# Altium PCB UmTRXv21.PcbDoc (part 19 of 19)
Units mm, origin at the board's own origin, x right, y up, seen from the top; angles counter-clockwise.
Board outline 159.5 x 99.5 mm, 6 copper layers (Top Layer, GND, MidLayer1, Mid-Layer 2, InternalPlane2, Bottom Layer), stack 1.526 mm thick; 716 components, 578 nets, 2850 pads, 1402 vias.
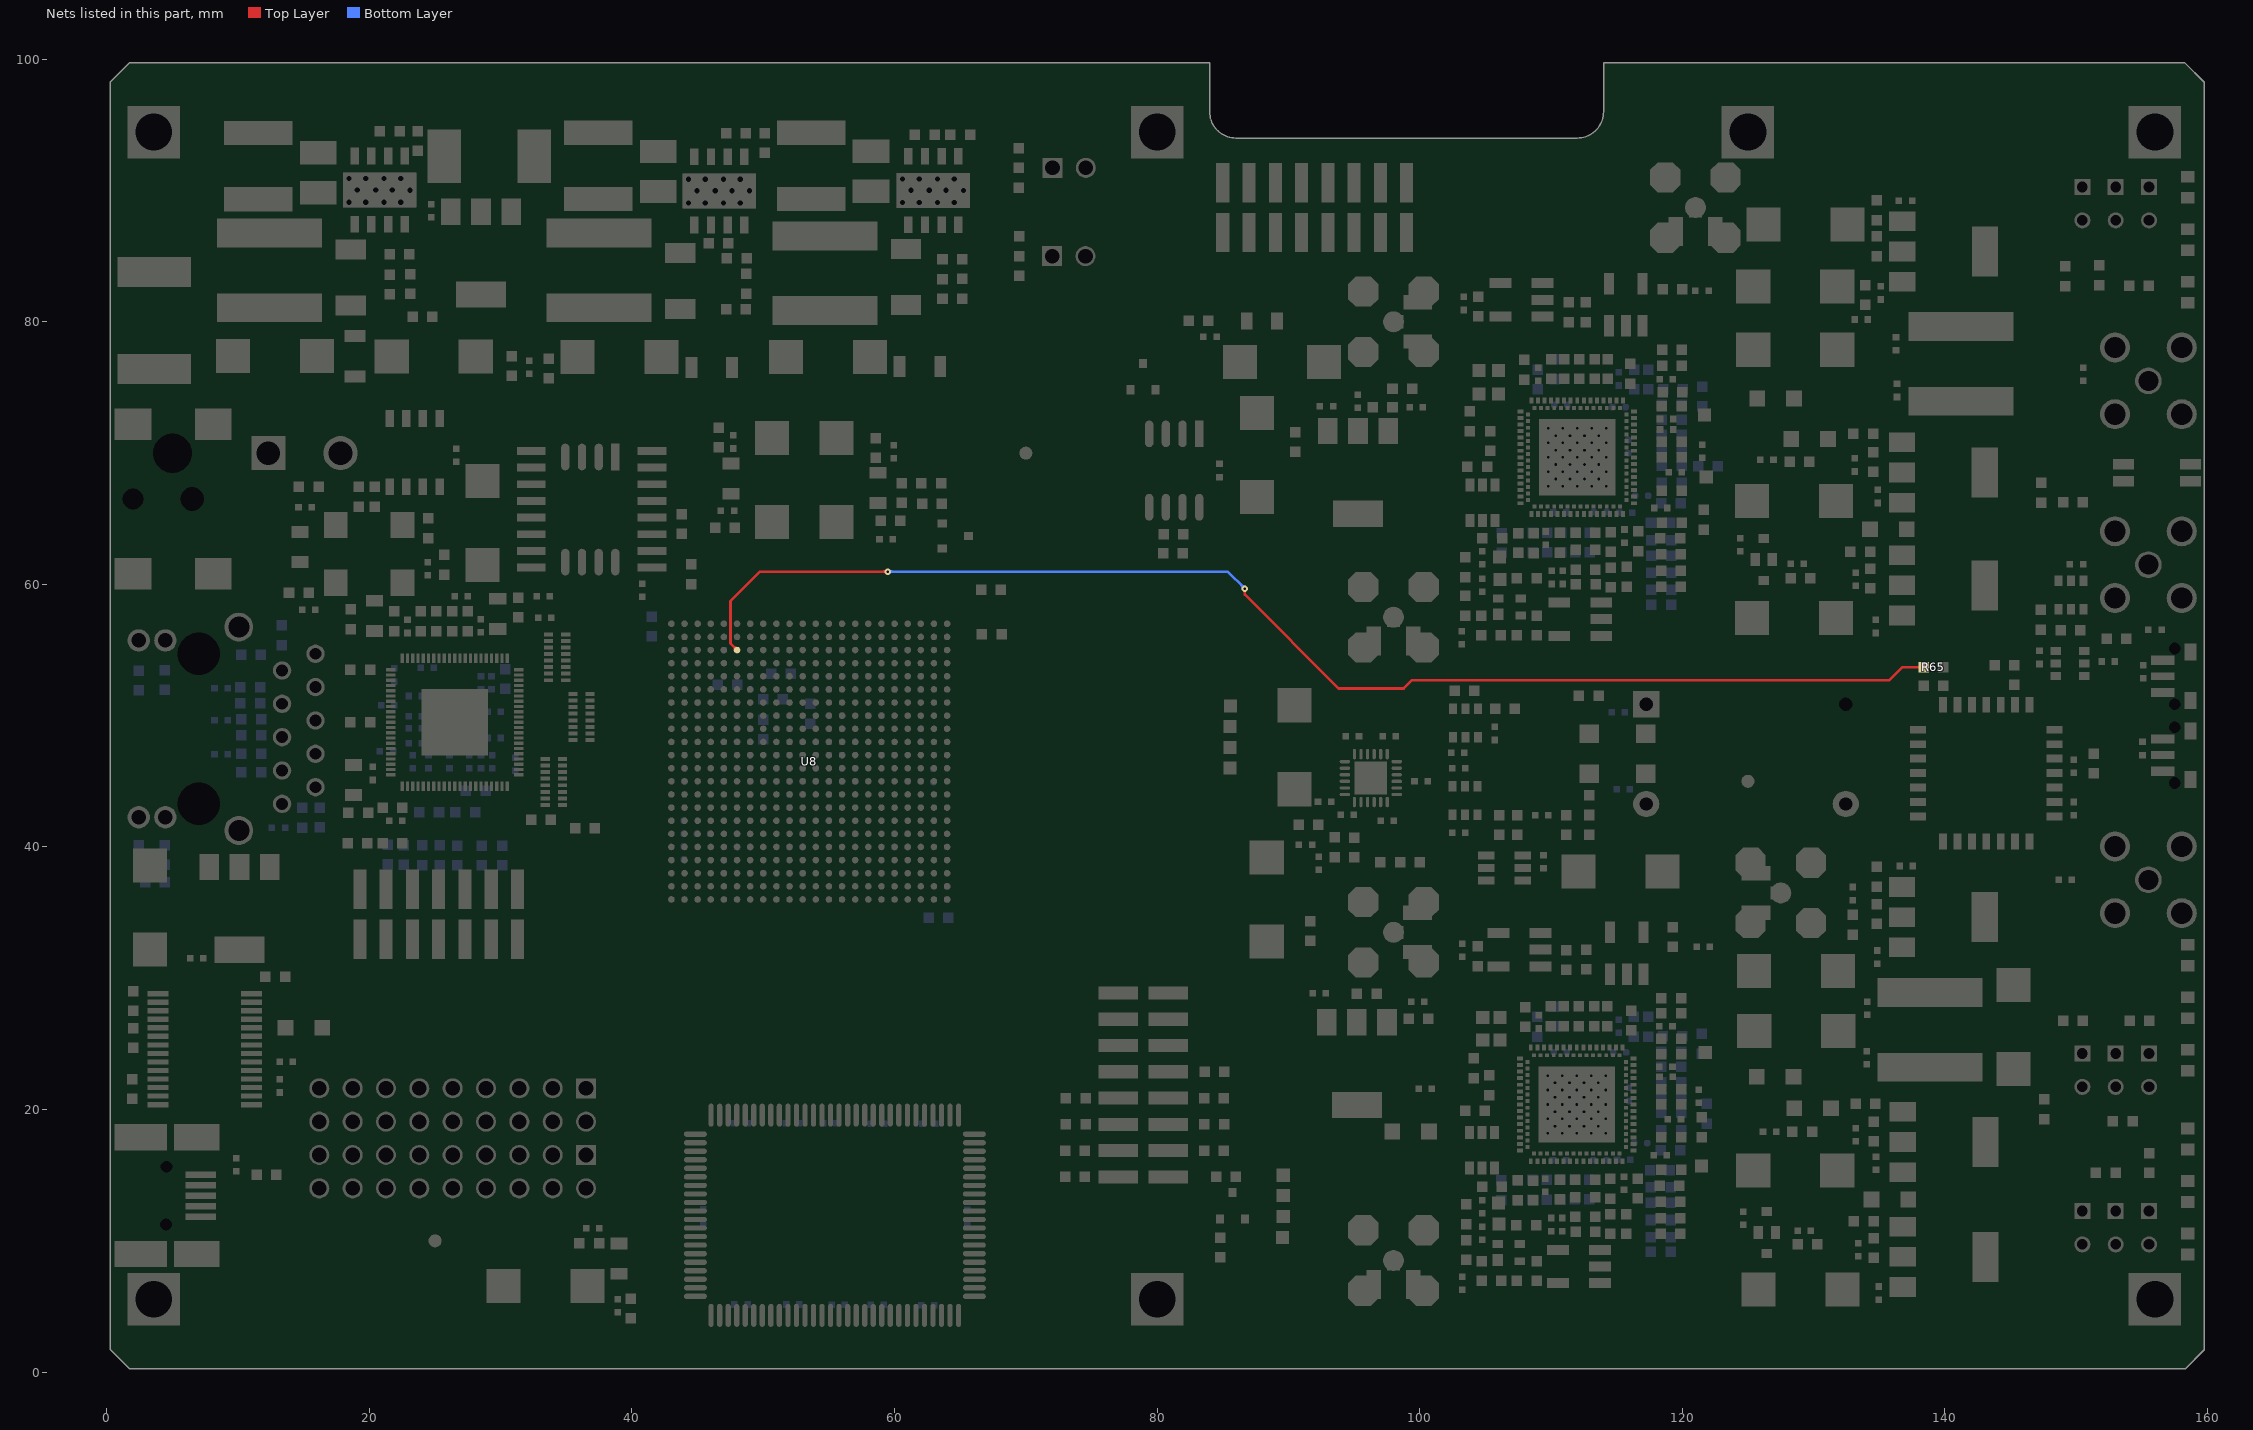
[diagram p23: the nets of this part, all layers, seen from the top]

## Via types
v1: diameter 0.45, hole 0.2, Top Layer to Bottom Layer, tented both sides, 440 vias
v2: diameter 0.5, hole 0.2, Top Layer to Bottom Layer, tented both sides, 423 vias
v3: diameter 0.7, hole 0.3, Top Layer to Bottom Layer, tented both sides, 257 vias
v4: diameter 0.4, hole 0.2, Top Layer to Bottom Layer, tented both sides, 197 vias
v5: diameter 0.8, hole 0.3, Top Layer to Bottom Layer, tented both sides, 63 vias
v6: diameter 0.6, hole 0.25, Top Layer to Bottom Layer, tented both sides, 16 vias
v7: diameter 0.6, hole 0.3, Top Layer to Bottom Layer, tented both sides, 4 vias
v8: diameter 1, hole 0.5, Top Layer to Bottom Layer, tented both sides, 2 vias

## Nets (pads, with @x,y where several pads share a name; then routed paths per layer and width w, separated by ;. In a path a pad name is that pad's centre, name@x,y a point inside that pad or via, vN(x,y) a via of type N, cw(c..) or ccw(c..) an arc to the next point about the centre after c; other vN are vias at no path point) (continued)
TXD2: R65.1 U8.Y17 | length 102.6
  Top Layer w0.2: U8.Y17@47.85,55 ccw(c47.488,55) 47.744,55.256 ccw(c48,55.512) U8.Y17@48,55.15 ; U8.Y17@48,55 47.5,55.5 47.5,58.725 49.75,60.975 v2(59.475,60.975) ; v2@59.369,60.869 ccw(c59.113,60.613) 59.113,60.975 ccw(c59.113,61.337) v2@59.369,61.081 ; v2(86.675,59.675) 86.675,59.225 93.825,52.075 98.775,52.075 99.4,52.7 135.775,52.7 136.75,53.675 R65.1@138.375,53.675
  Bottom Layer w0.2: v2(59.475,60.975) 85.375,60.975 v2(86.675,59.675) ; v2@59.581,60.869 cw(c59.837,60.613) 59.837,60.975 cw(c59.837,61.337) v2@59.581,61.081 ; v2@86.525,59.675 ccw(c86.163,59.675) 86.419,59.931 ccw(c86.675,60.187) v2@86.675,59.825
pads on no net: S1.0 S2.0 T1-1.2 T1-2.2 T2-1.2 T2-2.2 U4.3 U4.10 U4.11 U4.16 U4.17 U4.18 U4.19 U4.20 U5.1 U5.9 U5.10 U6A.3 U6A.4 U6A.5 U6A.6 U6A.11 U6A.12 U6A.13 U6A.14 U8.AA10 U8.AA12 U8.AA21 U8.AB5 U8.AB15 U8.AB16 U8.AB21 U8.E8 U8.E10 U8.F8 U8.F9 U8.F10 U8.F12 U8.G1 U8.G3 U8.G8 U8.G9 U8.G11 U8.G17 U8.H10 U8.H11 U8.H12 U8.H17 U8.K3 U8.L1 U8.M6 U8.M16 U8.M17 U8.M18 U8.M21 U8.N1 U8.N4 U8.N16 U8.N20 U8.P7 U8.P17 U8.P18 U8.P19 U8.P21 U8.P22 U8.R4 U8.R7 U8.R8 U8.R9 U8.R11 U8.R13 U8.R15 U8.R16 U8.R19 U8.T7 U8.T8 U8.T10 U8.T11 U8.T12 U8.T14 U8.T15 U8.T16 U8.T20 U8.U6 U8.U8 U8.U9 U8.U10 U8.U12 U8.U13 U8.U14 U8.U16 U8.U17 U8.U19 U8.V5 U8.V7 U8.V9 U8.V11 U8.V13 U8.V15 U8.V17 U8.V18 U8.V19 U8.V20 U8.W6 U8.W8 U8.W9 U8.W10 U8.W11 U8.W13 U8.W14 U8.W15 U8.W17 U8.W18 U8.Y2 U8.Y5 U8.Y6 U8.Y7 U8.Y8 U8.Y9 U8.Y10 U8.Y11 U8.Y12 U8.Y13 U8.Y14 U8.Y16 U8.Y18 U8.Y20 U9.5 U9.7 U9.8 U9.9 U9.10 U9.11 U9.12 U9.14 U9.15 U9.23 U9.40 U9.41 U9.42 U9.43 U9.46 U11.14 U11.16 U11.38 U11.39 U11.66 U12-1.12 U12-1.18 U12-1.40 U12-1.48 U12-1.50 U12-1.91 U12-1.92 U12-1.94 U12-1.95 U12-1.103 U12-1.104 U12-1.105 U12-1.106 U12-2.12 U12-2.18 U12-2.40 U12-2.48 U12-2.50 U12-2.91 U12-2.92 U12-2.94 U12-2.95 U12-2.103 U12-2.104 U12-2.105 U12-2.106 U15. U15.6 U16. U16.6 U33.6 U33.8 U33.10 U33.12 U33.13 U33.14 U33.19 U33.22 U33.23 U33.24 U33.27 U33.28 U34. U34.6 U38-1.3 U38-2.3 X1.12 X1.14 X3.MH1 X3.MH2 X3.x X4.0 X5'.0 X5'.3 X5.0
copper on no net: | length 28.3
  Top Layer w1: 26.501,10 ccw(c25,10) 26.501,10 ; 71.501,70 ccw(c70,70) 71.501,70 ; 126.501,45 ccw(c125,45) 126.501,45

## Polygon pours and split planes (outlines as drawn)
+3,3VFPGA on MidLayer1 "Mid1+3.3V_FPGA" (solid, remove dead copper, pour order 42): 16.9,71.75 18.4,73.25 38.7,73.25 44.95,67 65.25,67.05 66.25,65.95 66.3,63.05 67.8,61.45 69.8,59.25 69.75,54.95 66.295,52.25 58.925,46.275 58.95,39.55 57.109,38.15 37.8,38.15 37.4,33.1 17.6,33.1 16.9,33.8
GND on MidLayer1 "GND-mid4" (solid, pour order 41): -0.125,0.05 159.875,0.05 159.875,99.55 -0.125,99.55
NetC214_2 on Mid-Layer 2 "Top" (solid, remove dead copper, pour order 43): 21.45,59.5 26.45,59.5 29.75,56.2 31.3,54.65 31.3,49.45 31.3,45.2 30.55,44.45 30.2,44.1 23.75,44.1 22.75,44.1 21.8,45.05 20.25,46.6 20.25,57.95 20.25,58.25 21.5,59.5
GND on Mid-Layer 2 "GND-mid2" (solid, pour order 29): -0.125,0.05 159.875,0.05 159.875,99.55 -0.125,99.55
+1,2VFPGA on Top Layer "+1,2FPGA" (solid, pour order 40): 23.95,86.85 23.95,77.01 32.935,77.01 32.987,76.95 33,76.965 33,86.85
GND on Top Layer "GND" (solid, pour order 45): 159.75,2.975 159.75,1.7 158.3,0.25 1.75,0.25 0.25,1.75 0.25,3 0.25,10.025 0.275,10 9.6,10 9.6,3.027 9.55,2.977
GND on Top Layer "GND" (solid, pour order 48): 0.25,98.25 0.548,98.115 7.45,98.115 7.45,85.589 7.42,85.575 7.361,85.602 0.25,85.602
GND on Top Layer "GND" (solid, pour order 52): 77.925,7.575 82.075,7.575 82.1,7.6 87.125,2.575 87.125,0.45 73.325,0.45 73.325,2.975
GND on Top Layer "GND" (solid, pour order 54): 78,92.45 81.975,92.45 83.8,94.275 83.8,99.55 75.525,99.55 75.525,94.925
GND on Top Layer "GND" (solid, pour order 56): 159.75,1.7 159.75,7.525 159.725,7.55 154,7.55 154,7.525 149.425,2.95 149.375,2.9 149.375,1.7
GND on Top Layer "GND" (solid, pour order 33): 0.25,96.925 0.25,98.075 0.25,98.25 1.75,99.75 84,99.75 84,97.025 84.025,97
GND on Top Layer "GND" (solid, pour order 50): 114,99.75 114,92.425 114.05,92.375 159.75,92.375 159.75,98.25 158.25,99.75
GND on Top Layer "GND" (solid, pour order 47): 0.025,57.27 0.144,57.615 0.144,65.625 11.188,65.625 11.2,65.59 11.176,65.521 11.176,57.27
GND on Top Layer "GND" (solid, pour order 39): 122.725,40.375 122.725,32.095 131.263,32.095 131.313,32.045 131.325,32.057 131.325,40.375
GND on Top Layer "GND" (solid, pour order 38): 124.575,92.925 116.295,92.925 116.295,84.387 116.245,84.337 116.257,84.325 124.575,84.325
GND on Top Layer "GND" (solid, pour order 37): 93.391,13.162 93.391,4.883 101.929,4.883 101.979,4.832 101.991,4.845 101.991,13.162
GND on Top Layer "GND" (solid, pour order 36): 93.3,37.525 93.3,29.524 102.395,29.524 102.448,29.475 102.461,29.487 102.461,37.525
GND on Top Layer "GND" (solid, pour order 35): 102.358,63.05 94.357,63.05 94.357,53.955 94.308,53.902 94.32,53.889 102.358,53.889
GND on Top Layer "GND" (solid, pour order 34): 101.824,84.897 93.823,84.897 93.823,75.803 93.774,75.749 93.786,75.736 101.824,75.736
GND on Bottom Layer "GND" (solid, pour order 44): 159.75,2.975 159.75,1.7 158.3,0.25 1.75,0.25 0.25,1.75 0.25,3 0.25,10.025 0.275,10 9.6,10 9.6,3.027 9.55,2.977
GND on Bottom Layer "GND" (solid, pour order 51): 77.925,7.575 82.075,7.575 82.1,7.6 87.125,2.575 87.125,0.45 73.325,0.45 73.325,2.975
GND on Bottom Layer "GND" (solid, pour order 55): 159.75,1.7 159.75,7.525 159.725,7.55 154,7.55 154,7.525 149.425,2.95 149.375,2.9 149.375,1.7
GND on Bottom Layer "GND" (solid, pour order 46): 0.25,98.25 3.02,98 67.275,98 67.275,74.8 66.998,74.775 66.444,74.825 0.25,74.825
GND on Bottom Layer "GND" (solid, pour order 30): 0.25,96.925 0.25,98.075 0.25,98.25 1.75,99.75 84,99.75 84,97.025 84.025,97
GND on Bottom Layer "GND" (solid, pour order 53): 78,92.45 81.975,92.45 83.8,94.275 83.8,99.55 75.525,99.55 75.525,94.925
GND on Bottom Layer "GND" (solid, pour order 49): 114,99.75 114,92.425 114.05,92.375 159.75,92.375 159.75,98.25 158.25,99.75
GND on Bottom Layer "GND" (solid, pour order 32): 130.075,93.075 130.075,52.175 148.677,52.175 148.677,93.025 148.725,93.075
GND on Bottom Layer "GND" (solid, pour order 31): 130.075,40.45 130.075,4.325 148.029,4.325 148.029,40.406 148.075,40.45
GND on GND (split plane): 159.548,98.166 159.548,1.784 158.216,0.452 1.834,0.452 0.452,1.834 0.452,98.166 1.834,99.548 83.798,99.548 83.798,96 83.806,95.808 83.831,95.618 83.873,95.43 83.931,95.247 84.004,95.069 84.093,94.899 84.196,94.737 84.313,94.585 84.443,94.443 84.585,94.313 84.737,94.196 84.899,94.093 85.069,94.004 85.247,93.931 85.43,93.873 85.618,93.831 85.808,93.806 86,93.798 112,93.798 112.192,93.806 112.382,93.831 112.57,93.873 112.753,93.931 112.931,94.004 113.101,94.093 113.263,94.196 113.415,94.313 113.557,94.443 113.687,94.585 113.804,94.737 113.907,94.899 113.996,95.069 114.069,95.247 114.127,95.43 114.169,95.618 114.194,95.808 114.202,96 114.202,99.548 158.166,99.548
+1,8VALMS-2 on InternalPlane2 (split plane): 146.199,89.187 146.199,81.001 136.45,81.001 136.411,80.996 136.385,80.985 136.374,80.981 136.343,80.957 136.002,80.616 119.825,80.616 119.825,87.463 122.075,89.712 145.674,89.712
+1,8VDLMS-2 on InternalPlane2 (split plane): 146.199,72.55 146.199,64.001 133.51,64.001 133.48,64.024 133.444,64.039 133.404,64.044 132.401,64.044 132.239,64.207 132.208,64.231 132.192,64.237 132.171,64.246 132.132,64.251 124.958,64.251 124.958,64.306 124.958,65.108 124.953,65.147 124.938,65.184 124.914,65.215 123.172,66.957 123.14,66.981 123.125,66.987 123.104,66.996 123.065,67.001 120.25,67.001 120.211,66.996 120.174,66.981 120.143,66.957 120.119,66.926 120.104,66.889 120.099,66.85 120.099,64.451 118.412,62.764 116.808,62.764 116.769,62.759 116.733,62.744 116.701,62.72 114.933,60.952 110.73,60.952 110.691,60.947 110.654,60.932 110.623,60.907 109.129,59.414 106.425,59.414 105.851,59.988 105.851,63.062 106.563,63.774 115.11,63.774 115.149,63.779 115.186,63.794 115.217,63.818 116.251,64.852 116.275,64.883 116.29,64.919 116.295,64.959 116.295,73.581 117.202,74.488 120.542,74.488 121.149,73.882 121.149,72.613 121.074,72.538 120.389,72.538 120.349,72.533 120.313,72.518 120.282,72.494 120.022,72.234 119.998,72.203 119.983,72.166 119.977,72.127 119.977,70.921 119.983,70.882 119.998,70.846 120.022,70.814 120.38,70.456 120.412,70.432 120.448,70.417 120.487,70.412 123.463,70.412 123.502,70.417 123.538,70.432 123.57,70.456 129.888,76.774 146.199,76.774
+2,5VLMS-2 on InternalPlane2 (split plane): 132.232,63.786 132.263,63.762 132.3,63.747 132.339,63.742 133.364,63.742 133.394,63.719 133.43,63.704 133.469,63.699 146.199,63.699 146.199,56.313 145.229,55.343 124.164,55.343 124.164,62.623 124.914,63.373 124.938,63.404 124.953,63.441 124.958,63.48 124.958,63.949 132.069,63.949
+3,3VLMS-2 on InternalPlane2 (split plane): 146.199,77.076 129.825,77.076 129.786,77.071 129.749,77.056 129.718,77.032 123.4,70.714 120.55,70.714 120.28,70.984 120.28,72.064 120.451,72.236 121.137,72.236 121.176,72.241 121.197,72.25 121.212,72.256 121.244,72.28 121.407,72.443 121.431,72.474 121.446,72.511 121.451,72.55 121.451,73.944 121.446,73.983 121.437,74.005 121.431,74.02 121.407,74.051 120.712,74.746 120.681,74.77 120.644,74.785 120.605,74.79 117.139,74.79 117.1,74.785 117.079,74.776 117.063,74.77 117.032,74.746 116.081,73.795 108.319,73.795 108.28,73.79 108.258,73.781 108.243,73.775 108.212,73.751 107.743,73.282 107.719,73.251 107.704,73.214 107.699,73.175 107.699,64.076 106.5,64.076 106.461,64.071 106.424,64.056 106.393,64.032 105.593,63.232 105.569,63.201 105.563,63.186 105.554,63.164 105.549,63.125 105.549,59.925 105.554,59.886 105.563,59.864 105.569,59.849 105.593,59.818 106.255,59.156 106.286,59.132 106.323,59.117 106.362,59.112 109.192,59.112 109.231,59.117 109.268,59.132 109.299,59.156 110.792,60.649 114.996,60.649 115.035,60.654 115.072,60.669 115.103,60.694 116.871,62.461 118.475,62.461 118.514,62.467 118.551,62.482 118.582,62.506 120.357,64.281 120.381,64.312 120.396,64.349 120.401,64.388 120.401,66.699 123.002,66.699 124.655,65.045 124.655,64.306 124.655,64.1 124.655,63.542 123.906,62.793 123.882,62.761 123.866,62.725 123.861,62.686 123.861,55.343 105.146,55.343 103.02,57.469 103.02,72.692 110.641,80.313 136.065,80.313 136.104,80.319 136.125,80.327 136.14,80.334 136.172,80.358 136.513,80.699 146.199,80.699
GND on InternalPlane2 (split plane): 115.993,65.021 115.048,64.076 108.001,64.076 108.001,73.112 108.382,73.493 115.993,73.493
+1,8VALMS-1 on InternalPlane2 (split plane): 145.749,38.237 145.749,30.301 132.673,30.301 132.634,30.296 132.597,30.281 132.566,30.257 132.133,29.824 119.786,29.824 119.786,36.671 122.036,38.921 145.065,38.921
+1,8VDLMS-1 on InternalPlane2 (split plane): 128.391,25.196 145.749,25.196 145.749,13.151 134.513,13.151 133.907,13.757 133.876,13.781 133.839,13.796 133.8,13.801 124.125,13.801 124.125,15.126 124.12,15.166 124.105,15.202 124.081,15.233 124.067,15.244 124.057,15.257 124.026,15.281 123.989,15.296 123.95,15.301 120.265,15.301 120.226,15.296 120.189,15.281 120.158,15.257 118.373,13.472 116.769,13.472 116.73,13.467 116.694,13.452 116.662,13.428 114.894,11.66 110.691,11.66 110.652,11.655 110.615,11.64 110.584,11.616 109.594,10.626 107.683,10.626 107.076,11.233 107.076,13.883 107.717,14.524 115.113,14.524 115.152,14.529 115.174,14.538 115.189,14.544 115.22,14.568 116.212,15.56 116.236,15.591 116.251,15.628 116.256,15.667 116.256,22.967 116.881,23.592 116.882,23.593 116.883,23.594 118.485,25.196
GND on InternalPlane2 (split plane): 116.561,23.7 115.998,23.137 115.974,23.106 115.959,23.069 115.954,23.03 115.954,15.729 115.262,15.037 115.05,14.826 107.901,14.826 107.901,23.687 108.713,24.499 115.762,24.499
+2,5VLMS-1 on InternalPlane2 (split plane): 134.343,12.893 134.374,12.869 134.411,12.854 134.45,12.849 145.749,12.849 145.749,5.213 145.087,4.551 133.823,4.551 132.368,6.007 132.336,6.031 132.3,6.046 132.261,6.051 124.125,6.051 124.125,13.394 124.125,13.499 133.737,13.499
+12V on InternalPlane2 (split plane): 60.923,95.921 60.923,93.504 60.471,93.052 14.475,93.052 14.41,93.044 14.349,93.018 14.297,92.978 11.622,90.303 11.582,90.251 11.556,90.19 11.548,90.125 11.548,84.579 6.721,79.752 2.729,79.752 2.352,80.129 2.352,82.396 2.729,82.773 4.9,82.773 4.965,82.781 5.026,82.807 5.078,82.847 8.278,86.047 8.318,86.099 8.344,86.16 8.352,86.225 8.352,94.096 10.704,96.448 60.396,96.448
+1,2VFPGA on InternalPlane2 (split plane): 54.399,66.887 54.399,56.713 53.943,56.257 53.919,56.226 53.904,56.189 53.899,56.15 53.899,55.3 53.904,55.261 53.919,55.224 53.943,55.193 55.949,53.187 55.949,51.913 54.993,50.957 54.969,50.926 54.954,50.889 54.949,50.85 54.949,50.2 54.954,50.161 54.969,50.124 54.993,50.093 55.143,49.943 55.174,49.919 55.211,49.904 55.25,49.899 57.637,49.899 57.849,49.687 57.849,48.363 57.637,48.151 57.35,48.151 57.311,48.146 57.274,48.131 57.243,48.107 56.893,47.757 56.869,47.726 56.854,47.689 56.849,47.65 56.849,43.813 55.837,42.801 51.738,42.801 49.951,44.588 49.951,48.587 51.263,49.899 52.85,49.899 52.889,49.904 52.926,49.919 52.957,49.943 53.257,50.243 53.281,50.274 53.296,50.311 53.301,50.35 53.301,51.287 54.107,52.093 54.131,52.124 54.146,52.161 54.151,52.2 54.151,52.85 54.146,52.889 54.135,52.915 54.131,52.926 54.107,52.957 53.319,53.744 53.288,53.769 53.252,53.784 53.213,53.789 52.475,53.789 51.301,54.963 51.301,55.7 51.296,55.739 51.281,55.776 51.257,55.807 50.957,56.107 50.926,56.131 50.911,56.137 50.889,56.146 50.85,56.151 49.863,56.151 48.351,57.663 48.351,59.5 50.507,61.656 50.531,61.687 50.546,61.723 50.551,61.763 50.551,65.075 50.546,65.114 50.531,65.151 50.507,65.182 48.207,67.482 48.176,67.506 48.161,67.512 48.139,67.521 48.1,67.526 46.338,67.526 34.807,79.057 34.776,79.081 34.739,79.096 34.7,79.101 24.501,79.101 24.501,82.687 26.663,84.849 36.437,84.849
+2,5VETH on InternalPlane2 (split plane): 16.018,60.593 16.049,60.569 16.064,60.563 16.086,60.554 16.125,60.549 24.137,60.549 31.649,53.037 31.649,43.813 27.837,40.001 20.475,40.001 20.436,39.996 20.399,39.981 20.368,39.957 16.662,36.251 5.438,36.251 5.026,36.663 5.026,38.812 5.838,39.624 11.15,39.624 11.189,39.629 11.226,39.644 11.257,39.668 12.207,40.618 12.231,40.649 12.246,40.686 12.251,40.725 12.251,47.6 12.251,60.312 13.038,61.099 15.512,61.099
GND on InternalPlane2 (split plane): 28.824,51.712 28.824,46.888 28.187,46.251 23.738,46.251 23.176,46.813 23.176,51.412 24.213,52.449 28.087,52.449
GND on InternalPlane2 (split plane): 159.548,98.166 159.548,1.784 158.216,0.452 66.651,0.452 66.651,16.7 66.646,16.739 66.637,16.761 66.631,16.776 66.607,16.807 64.407,19.007 64.376,19.031 64.361,19.037 64.339,19.046 64.3,19.051 48,19.051 47.961,19.046 47.924,19.031 47.893,19.007 46.743,17.857 46.719,17.826 46.704,17.789 46.699,17.75 46.699,15.763 36.993,6.057 36.969,6.026 36.954,5.989 36.949,5.95 36.949,0.452 1.834,0.452 0.452,1.834 0.452,98.166 1.834,99.548 83.798,99.548 83.798,96 83.806,95.808 83.831,95.618 83.873,95.43 83.931,95.247 84.004,95.069 84.093,94.899 84.196,94.737 84.313,94.585 84.443,94.443 84.585,94.313 84.737,94.196 84.899,94.093 85.069,94.004 85.247,93.931 85.43,93.873 85.618,93.831 85.808,93.806 86,93.798 112,93.798 112.192,93.806 112.382,93.831 112.57,93.873 112.753,93.931 112.931,94.004 113.101,94.093 113.263,94.196 113.415,94.313 113.557,94.443 113.687,94.585 113.804,94.737 113.907,94.899 113.996,95.069 114.069,95.247 114.127,95.43 114.169,95.618 114.194,95.808 114.202,96 114.202,99.548 158.166,99.548
+3,3VLMS-1 on InternalPlane2 (split plane): 145.749,25.499 120.566,25.499 118.422,25.499 118.383,25.493 118.347,25.478 118.315,25.454 116.775,23.914 115.932,24.757 115.901,24.781 115.886,24.787 115.864,24.796 115.825,24.801 108.65,24.801 108.611,24.796 108.574,24.781 108.543,24.757 107.643,23.857 107.619,23.826 107.604,23.789 107.599,23.75 107.599,14.814 107.579,14.806 107.548,14.782 106.818,14.052 106.794,14.021 106.779,13.985 106.774,13.945 106.774,11.17 106.779,11.131 106.788,11.11 106.794,11.094 106.818,11.063 107.513,10.368 107.544,10.344 107.581,10.329 107.62,10.324 109.657,10.324 109.696,10.329 109.733,10.344 109.764,10.368 110.753,11.357 114.957,11.357 114.996,11.363 115.033,11.378 115.064,11.402 116.832,13.17 118.436,13.17 118.475,13.175 118.512,13.19 118.543,13.214 120.328,14.999 123.822,14.999 123.822,13.73 123.819,13.726 123.804,13.689 123.799,13.65 123.804,13.611 123.819,13.574 123.822,13.57 123.822,13.394 123.822,6.051 103.845,6.051 102.981,6.915 102.981,25.717 106.786,29.522 132.196,29.522 132.235,29.527 132.271,29.542 132.303,29.566 132.736,29.999 145.749,29.999
+2,5VFPGA on InternalPlane2 (split plane): 46.168,67.268 46.199,67.244 46.236,67.229 46.275,67.224 48.037,67.224 50.249,65.012 50.249,61.825 48.093,59.669 48.069,59.638 48.054,59.602 48.049,59.563 48.049,57.6 48.054,57.561 48.069,57.524 48.093,57.493 49.693,55.893 49.724,55.869 49.761,55.854 49.8,55.849 50.787,55.849 50.999,55.637 50.999,54.9 51.004,54.861 51.019,54.824 51.043,54.793 52.306,53.531 52.337,53.506 52.373,53.491 52.413,53.486 53.15,53.486 53.849,52.787 53.849,52.263 53.043,51.457 53.019,51.426 53.004,51.389 52.999,51.35 52.999,50.413 52.787,50.201 51.2,50.201 51.161,50.196 51.124,50.181 51.093,50.157 49.693,48.757 49.669,48.726 49.654,48.689 49.649,48.65 49.649,44.525 49.654,44.486 49.669,44.449 49.693,44.418 51.568,42.543 51.599,42.519 51.636,42.504 51.675,42.499 55.9,42.499 55.939,42.504 55.961,42.513 55.976,42.519 56.007,42.543 57.107,43.643 57.131,43.674 57.146,43.711 57.151,43.75 57.151,47.587 57.413,47.849 57.7,47.849 57.739,47.854 57.776,47.869 57.807,47.893 58.107,48.193 58.131,48.224 58.146,48.261 58.151,48.3 58.151,49.75 58.146,49.789 58.131,49.826 58.107,49.857 57.807,50.157 57.776,50.181 57.739,50.196 57.7,50.201 55.313,50.201 55.251,50.263 55.251,50.787 56.207,51.743 56.231,51.774 56.235,51.785 56.246,51.811 56.251,51.85 56.251,53.25 56.246,53.289 56.235,53.315 56.231,53.326 56.207,53.357 54.201,55.363 54.201,56.087 54.657,56.543 54.681,56.574 54.696,56.611 54.701,56.65 54.701,66.849 63.337,66.849 66.268,63.918 74.293,55.893 74.299,55.889 74.299,54.85 74.299,50.2 74.304,50.161 74.319,50.124 74.343,50.093 76.749,47.687 76.749,29.713 74.212,27.176 68.138,27.176 61.957,33.357 61.926,33.381 61.889,33.396 61.85,33.401 19.863,33.401 17.912,35.352 17.912,37.073 20.538,39.699 27.9,39.699 27.939,39.704 27.976,39.719 28.007,39.743 31.907,43.643 31.931,43.674 31.946,43.711 31.951,43.75 31.951,53.1 31.946,53.139 31.931,53.176 31.907,53.207 24.307,60.807 24.276,60.831 24.261,60.837 24.239,60.846 24.2,60.851 19.951,60.851 19.951,75.637 23.113,78.799 34.637,78.799
+2,5VRAM on InternalPlane2 (split plane): 66.349,16.637 66.349,0.452 37.251,0.452 37.251,5.887 46.957,15.593 46.981,15.624 46.996,15.661 47.001,15.7 47.001,17.687 48.063,18.749 64.237,18.749

## Keep-outs
Keep-Out Layer:
  lines w0.2: 0.25,1.75 1.75,0.25 158.3,0.25 159.75,1.7 159.75,32.3 159.75,58.3 159.75,98.25 158.25,99.75 114,99.75 114,96 cw(c112,96) 112,94 86,94 cw(c86,96) 84,96 84,99.75 1.75,99.75 0.25,98.25 0.25,1.75

## Other copper
Top Layer:
  rectangle net NetC214_2: 7.175,31.125 13.025,36.725
  rectangle net GND: 112.6,23.1 113.3,24.2
  region net +1,8VDLMS-1: 146.5,21.501 138.36,21.501 138.36,13.4 146.5,13.4
  region net +1,8VALMS-1: 146.5,38.63 138.31,38.63 138.31,30.4 146.5,30.4
  region net +2,5VLMS-1: 146.5,12.755 138.36,12.755 138.36,4.7 146.5,4.7
  region net +2,5VLMS-2: 146.5,63.9 138.31,63.9 138.31,55.845 146.5,55.845
  region net +1,8VDLMS-2: 146.5,72.5 138.31,72.5 138.31,64.399 146.5,64.399
  region net +1,8VALMS-2: 146.5,89.324 138.32,89.324 138.32,81.094 146.5,81.094
  rectangle net GND: 112.65,72.4 113.35,73.5
  region net GND: 67.3,99.5 5.7,99.5 5.7,95.775 67.3,95.775
  rectangle net NetC4_1: 86.175,62.956 101.15,70.2
  rectangle net +3,3VCC: 88.35,17.2 99.9,25.025
  pour cut-out: 98.737,80.921 100.287,80.921 100.762,80.446 100.762,79.546 100.287,79.071 98.737,79.071
  pour cut-out: 98.921,56.788 98.921,55.238 98.446,54.763 97.546,54.763 97.071,55.238 97.071,56.788
  pour cut-out: 121.921,87.988 121.921,86.438 121.446,85.963 120.546,85.963 120.071,86.438 120.071,87.988
  pour cut-out: 98.712,34.421 100.262,34.421 100.737,33.946 100.737,33.046 100.262,32.571 98.712,32.571
  pour cut-out: 98.921,7.788 98.921,6.238 98.446,5.763 97.546,5.763 97.071,6.238 97.071,7.788
  pour cut-out: 126.738,35.579 125.188,35.579 124.713,36.054 124.713,36.954 125.188,37.429 126.738,37.429
Mid-Layer 2:
  pour cut-out: 84,99.75 84,94 114,94 114,99.75
  pour cut-out: 47.138,27.775 47.138,27.5 47.863,27.5 47.863,27.775
MidLayer1:
  pour cut-out: 84,99.75 114,99.75 114,93.975 84,93.975
  pour cut-out: 44.137,26.025 44.137,25.75 44.862,25.75 44.862,26.025
  pour cut-out: 45.825,25.775 45.825,25.5 46.85,25.5 46.85,25.775
  pour cut-out: 52.013,36.675 52.013,36.4 52.738,36.4 52.738,36.675
  pour cut-out: 62.113,18.375 62.113,18.1 63.125,18.1 63.125,18.375
Bottom Layer:
  rectangle net GND: 23.724,46.758 29.25,52.25
  rectangle net GND: 109.039,66.717 114.964,72.617
  rectangle net GND: 109,17.425 114.925,23.325
InternalPlane2 (plane layer: these items are gaps in the copper):
  lines w0.3: 17.761,37.125 17.761,35.289 19.8,33.25 61.85,33.25 68.075,27.025 74.275,27.025 76.9,29.65 76.9,47.75 74.45,50.2 74.45,54.85 74.45,55.95 ; 37.1,0.25 37.1,5.95 46.85,15.7 46.85,17.75 48,18.9 64.3,18.9 66.5,16.7 66.5,0.25 ; 54.6,67 63.4,67 66.375,64.025 74.4,56 ; 107.75,14.675 107.75,23.75 108.65,24.65 115.825,24.65 116.775,23.7 ; 107.85,63.975 107.85,73.175 108.319,73.644 116.144,73.644 ; 115.369,14.93 116.105,15.667 ; 119.635,29.716 119.635,36.734 121.973,39.072 132.542,39.072 145.128,39.072 145.9,38.3 145.9,30.15 ; 119.674,80.508 119.674,87.525 122.012,89.864 145.736,89.864 146.35,89.25 146.35,80.85 ; 123.95,13.65 133.8,13.65 134.45,13 145.9,13 ; 123.95,15.15 120.265,15.15 118.436,13.321 ; 123.974,15.126 123.974,13.394 ; 124.013,55.201 124.013,62.686 124.807,63.48 124.807,64.306 ; 133.404,63.893 132.339,63.893 132.132,64.1 124.807,64.1 124.807,65.108 123.065,66.85 121.6,66.85 120.25,66.85 120.25,64.388 118.475,62.613 116.808,62.613 114.996,60.8 110.73,60.8 109.192,59.263 107.849,59.263 106.362,59.263 105.7,59.925 105.7,63.125 106.5,63.925 115.11,63.925 116.144,64.959 116.144,73.644 ; 133.469,63.85 146.1,63.85 146.35,63.85 ; 145.903,25.347 120.566,25.347 128.391,25.347 ; 146.35,72.55 146.35,80.85 ; 19.8,60.7 19.8,75.7 23.05,78.95 24.35,78.95 ; 19.8,60.7 24.2,60.7 31.8,53.1 31.8,43.75 27.9,39.85 21.425,39.85 20.475,39.85 16.725,36.1 5.375,36.1 4.875,36.6 4.875,38.875 5.775,39.775 11.15,39.775 12.1,40.725 12.1,47.6 12.1,60.375 12.975,61.25 15.575,61.25 16.125,60.7 19.8,60.7 ; 24.35,78.95 34.7,78.95 46.275,67.375 48.1,67.375 50.4,65.075 50.4,61.763 48.2,59.563 48.2,57.6 49.8,56 50.85,56 51.15,55.7 51.15,54.9 52.413,53.637 53.213,53.637 54,52.85 54,52.2 53.15,51.35 53.15,50.35 52.85,50.05 51.2,50.05 49.8,48.65 49.8,44.525 51.675,42.65 55.9,42.65 57,43.75 57,47.65 ; 24.35,78.95 24.35,82.75 26.6,85 36.5,85 54.55,66.95 54.55,56.65 54.05,56.15 54.05,55.3 56.1,53.25 56.1,51.85 55.1,50.85 55.1,50.2 55.25,50.05 56.7,50.05 57.7,50.05 58,49.75 58,48.3 57.7,48 57.35,48 57,47.65 ; 57,47.65 57,47.65 ; 102.829,6.853 103.782,5.9 ; 102.829,6.853 102.829,25.779 106.723,29.673 131.806,29.673 ; 102.829,6.853 103.782,5.9 ; 103.782,5.9 115.585,5.9 ; 103.782,5.9 115.585,5.9 ; 110.691,11.509 114.957,11.509 ; 110.691,11.509 114.957,11.509 ; 110.691,11.509 109.657,10.475 107.62,10.475 106.925,11.17 106.925,13.945 107.655,14.675 115.113,14.675 116.105,15.667 ; 114.957,11.509 116.769,13.321 ; 114.957,11.509 116.769,13.321 ; 115.585,5.9 132.261,5.9 ; 115.585,5.9 132.261,5.9 ; 116.105,15.667 116.105,23.03 ; 116.105,15.667 116.105,23.03 ; 116.105,23.03 118.422,25.347 ; 116.105,23.03 118.422,25.347 ; 116.144,73.644 117.139,74.639 120.605,74.639 121.3,73.944 121.3,72.55 121.137,72.387 120.389,72.387 120.129,72.127 120.129,70.921 120.487,70.563 123.463,70.563 129.825,76.925 138.075,76.925 142.725,76.925 146.35,76.925 146.35,63.85 ; 116.769,13.321 118.436,13.321 ; 116.769,13.321 118.436,13.321 ; 118.422,25.347 128.391,25.347 ; 118.422,25.347 128.391,25.347 ; 123.974,13.394 123.974,5.91 123.974,13.394 ; 131.806,29.673 132.196,29.673 ; 131.806,29.673 132.196,29.673 ; 132.196,29.673 132.673,30.15 145.9,30.15 ; 132.261,5.9 133.761,4.4 145.15,4.4 145.9,5.15 145.9,30.15 ; 146.35,63.85 146.35,56.25 145.291,55.191 133.469,55.191 115.624,55.191 105.084,55.191 102.868,57.407 102.868,72.755 110.578,80.465 131.845,80.465 136.065,80.465 136.45,80.85 146.35,80.85 ; 23.025,46.75 23.025,51.475 24.15,52.6 28.15,52.6 28.975,51.775 28.975,46.825 28.25,46.1 23.675,46.1 23.025,46.75
  lines w0.5: 2.1,80.025 2.1,82.5 2.625,83.025 4.9,83.025 8.1,86.225 8.1,94.2 10.6,96.7 60.5,96.7 61.175,96.025 61.175,93.4 60.575,92.8 14.475,92.8 11.8,90.125 11.8,84.475 6.825,79.5 2.625,79.5 2.1,80.025

## Silkscreen, mask and mechanical layers (free items; w line width, h text height)
Top Overlay:
  text "FAN2" at 73,95.15 h1
  text "6<>12" at 68.625,89.7 h1 r90
  text "H" at 156.55,89.7 h1
  text "AUX RF" at 105.425,87.825 h1
  text "RX2" at 114.525,87.175 h1
  text "I" at 156.8,85.1 h1
  text "6<>12" at 68.625,82.9 h1 r90
  text "G" at 156.575,81.675 h1
  text "SCN2" at 90.6,81.65 h1
  text "1.8v" at 143.45,81.4 h1
  text "+2.5v" at 15.825,79.55 h1
  text "FAN1" at 71.075,78.825 h1
  text "+6v" at 57.825,78.7 h1
  text "+1.2v" at 29.625,78.15 h1
  text "+3.3v" at 42.845,78.028 h1
  text "PPS" at 148.325,77.375 h1
  text "3.3v" at 146.6,75.625 h1 r90
  text "SLAVE^" at 145.475,71.475 h1
  text "+" at 13.275,70.825 h2
  text "-" at 15.575,70.775 h2
  text "MASTRv" at 145.45,70.25 h1
  text "PPS" at 149.675,68.575 h1
  text "MHZ" at 149.65,67.275 h1
  text "1.8v" at 143.55,64.6 h1
  text "+5v" at 93.825,63.075 h1
  text "26MHZ" at 146.375,62.525 h1
  text "TX2" at 91.063,56.487 h1
  text "2.5v" at 143.225,55.925 h1
  text "SAFE" at 151.8,50.575 h1
  text "MISO2" at 79.5,50.125 h1
  text "SCLK2" at 79.35,48.5 h1
  text "MOSI2" at 79.425,47.15 h1
  text "SEN2" at 79.85,45.625 h1
  text "RESET" at 152.225,43.125 h1
  text "5<>3" at 97,39.9 h1
  text "1.8v" at 143.225,37.25 h1
  text "RX1" at 121.3,36.65 h1
  text "EXT PANEL" at 75.475,34.325 h1
  text "GPS-ANT" at 148.85,31.95 h1
  text "Fairwaves" at 43.95,31.55 h2
  text "A" at 156.525,31.175 h1
  text "JTAG ONLY" at 24.295,29.678 h1
  text "SCN1" at 90.85,29.675 h1
  text "UmTRX v2.1" at 43.876,28.308 h1.75
  text "C" at 156.5,27.15 h1
  text ".Print_Date" at 43.775,25.482 h1.5
  text "DEBUG" at 23.967,24.056 h1
  text "E" at 156.5,23.275 h1
  text "Gnd" at 15.3,23.25 h1
  text "D0" at 18.625,23.25 h1
  text "3.3v" at 130.025,22.5 h1
  text "CC-BY-SA 3.0" at 43.75,22.275 h1.75
  text "D7" at 38.55,21.15 h1
  text "clkN" at 10.75,18.625 h1
  text "D15" at 38.55,18.575 h1
  text "+3.3v" at 91.245,17.503 h1
  text "B" at 156.725,17.125 h1
  text "clkP" at 10.75,16.375 h1
  text "D23" at 38.55,16 h1
  text "MISO1" at 90.35,14.55 h1
  text "1.8v" at 143.675,13.6 h1
  text "D31" at 38.55,13.5 h1
  text "SCLK1" at 90.325,13.05 h1
  text "D" at 156.75,12.425 h1
  text "Gnd" at 14.475,11.35 h1
  text "MOSI1" at 90.25,11.35 h1
  text "D24" at 17.825,11.3 h1
  text "SEN1" at 90.3,9.8 h1
  text "F" at 156.75,8.925 h1
  text "USB DEBUG" at 7.25,5.925 h1
  text "TX1" at 91.55,5.625 h1
  text "2.5v" at 143.575,4.9 h1
Top Solder:
  circle w0.254: c81.475,46.075 r0.15
  circle w0.254: c87.5,48.075 r0.1
  circle w0.254: c75.35,37.45 r0.15
  circle w0.254: c80.2,42.8 r0.15
  circle w0.254: c79.4,42.85 r0.15
  circle w0.254: c78.65,42.95 r0.15
  circle w0.254: c80.75,49 r0.15
  circle w0.254: c78.15,50.7 r0.15
  circle w0.254: c77.25,50.5 r0.15
  circle w0.254: c76.45,50.7 r0.15
  circle w0.254: c75.6,51.75 r0.15
  circle w0.254: c73.75,52.6 r0.1
  circle w0.254: c73.192,52.608 r0.1
  circle w0.254: c72.6,52.65 r0.1
  circle w0.254: c71.95,52.5 r0.15
  circle w0.254: c70.3,53.35 r0.1
  circle w0.254: c70.15,53.95 r0.1
  circle w0.254: c69.85,54.5 r0.1
  circle w0.254: c69.35,54.95 r0.15
  circle w0.254: c65.4,56.7 r0.15
  circle w0.254: c70.35,57.875 r0.15
  circle w0.5: c88.1,12.7 r0.3
  circle w0.254: c38.6,49.5 r0.1
  circle w0.254: c39.2,47.95 r0.1
  circle w0.254: c40.2,49.15 r0.1
  circle w0.254: c39,44.55 r0.1
  circle w0.5: c87.775,50.05 r0.3
  region: 84,96.975 84,99.975 -0.05,99.975 -0.05,96.975
  region: 6.975,96.75 6.975,95.75 67.475,95.75 67.475,96.75
  region: 159.875,97 159.875,99.95 114,99.95 114,97
  rectangle: 101.7,84 123.75,85
  region: 67.5,96.75 66.5,96.75 66.5,74 67.5,74
  region: 67.5,74 67.5,75 6.975,75 6.975,74
  rectangle: 101.65,4.7 102.65,35.7
  rectangle: 122.75,54.55 123.75,84.925
  rectangle: 122.675,5.05 123.725,35.55
  rectangle: 102.05,4.65 123.725,5.75
  rectangle: 101.65,34.675 123.725,35.725
  rectangle: 101.65,53.95 123.75,55
  region: 7.975,96.75 6.975,96.75 6.975,74 7.975,74
  rectangle: 101.65,53.95 102.65,84.975
  region: 0.125,2.988 0.125,0.05 159.875,0.05 159.875,2.988
  text "1.85A" at 3.225,86.05 h1 r90
  text "+8Vmin" at 4.75,85.825 h1 r90
  text "+28Vmax" at 6.5,85.8 h1 r90
Bottom Solder:
  region: 159.875,96.75 159.875,99.95 114,99.95 114,96.75
  rectangle: 0.175,88.3 67.5,93.1
  region: 0.125,3.05 0.125,0.05 159.875,0.05 159.875,3.05
  region: 83.95,96.775 83.95,99.95 0.125,99.95 0.125,96.775
  rectangle: 109.025,66.725 114.975,72.625
  rectangle: 108.986,17.433 114.936,23.325
  rectangle: 24.504,47.52 28.475,51.475
  text "Fairwaves" at 18.5,85.775 h2
  text "UmTRX v2.1" at 17.75,82.875 h1.75
  text ".Print_Date" at 16.55,78.425 h1.5
  text "CC-BY-SA 3.0" at 21.4,75.45 h1.75
Mechanical 1:
  lines w0.254: -1.925,2.975 161.125,3 ; -0.925,97 163.55,97
  text "1.85A" at 3.225,86.05 h1 r90
  text "+8Vmin" at 4.75,85.825 h1 r90
  text "+28Vmax" at 6.5,85.8 h1 r90
  text "U9" at 21.375,54.675 h0.5
  text "Fairwaves" at 43.95,31.55 h2
  text "UmTRX v2.1" at 43.876,28.308 h1.75
  text ".Print_Date" at 43.775,25.482 h1.5
  text "CC-BY-SA 3.0" at 43.75,22.275 h1.75
Mechanical 2:
  text "Fairwaves" at 18.5,85.775 h2
  text "UmTRX v2.1" at 17.75,82.875 h1.75
  text ".Print_Date" at 16.55,78.425 h1.5
  text "CC-BY-SA 3.0" at 21.4,75.45 h1.75

## Text inside footprints (layer, text, board x,y; h text height)
LED1: Mechanical 1 "A" at 148.675,21.55 h1.22 r270; Mechanical 1 "K" at 148.575,24.675 h1.22 r270
LED2: Mechanical 1 "A" at 148.675,9.5 h1.22 r270; Mechanical 1 "K" at 148.55,12.8 h1.22 r270
LED3: Mechanical 1 "A" at 148.55,88.075 h1.22 r270; Mechanical 1 "K" at 148.55,90.575 h1.22 r270
X1: Mechanical 1 "1" at 17.675,33.475 h0.5; Mechanical 1 "2" at 17.625,35.575 h0.5
X3: Mechanical 1 "PCB Edge" at -0.5,15.75 h0.25 r270
X12: Mechanical 1 "2" at 83.35,89.4 h0.5; Mechanical 1 "1" at 83.4,87.3 h0.5
X16: Mechanical 1 "2" at 78.25,13.225 h0.5 r90; Mechanical 1 "1" at 80.35,13.275 h0.5 r90